# KiCad board vault35-katana-original.kicad_pcb
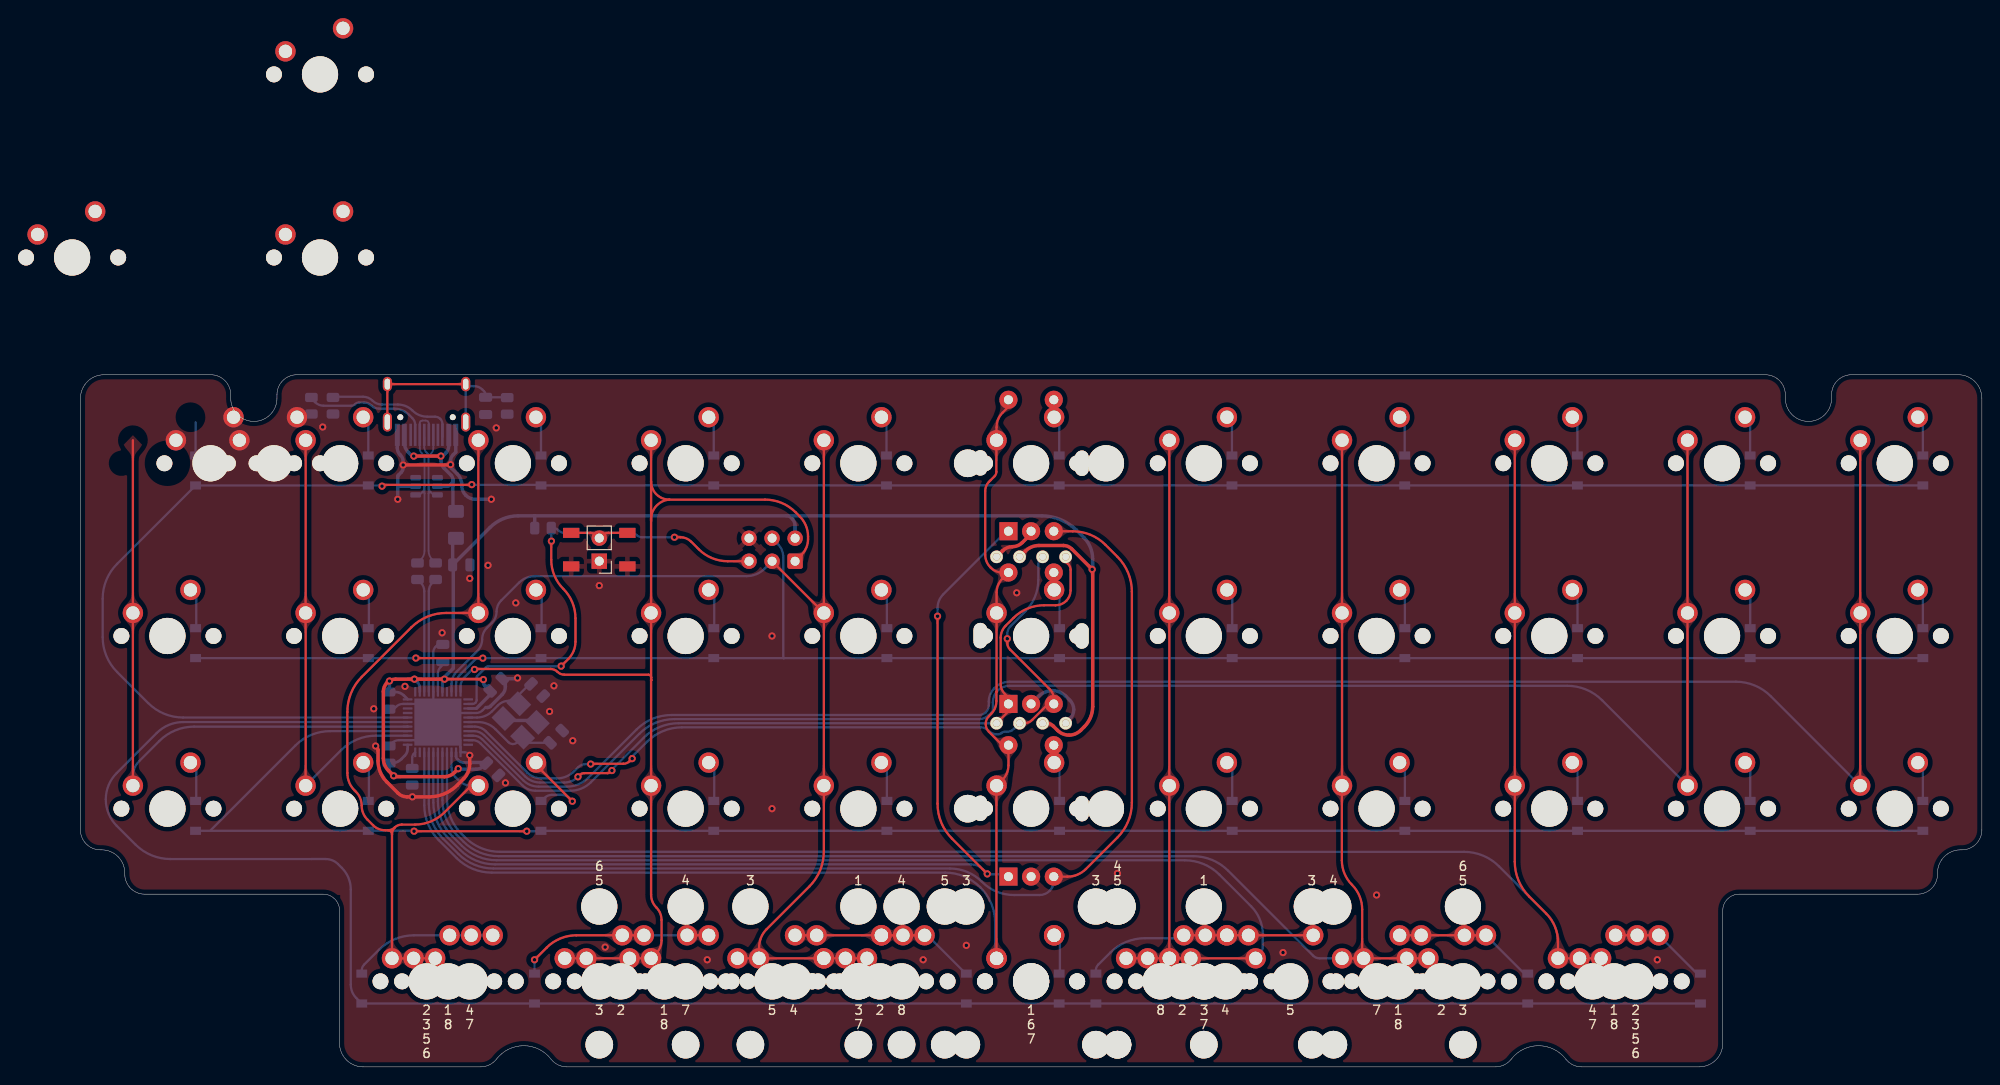
[diagram p0: board, top side]
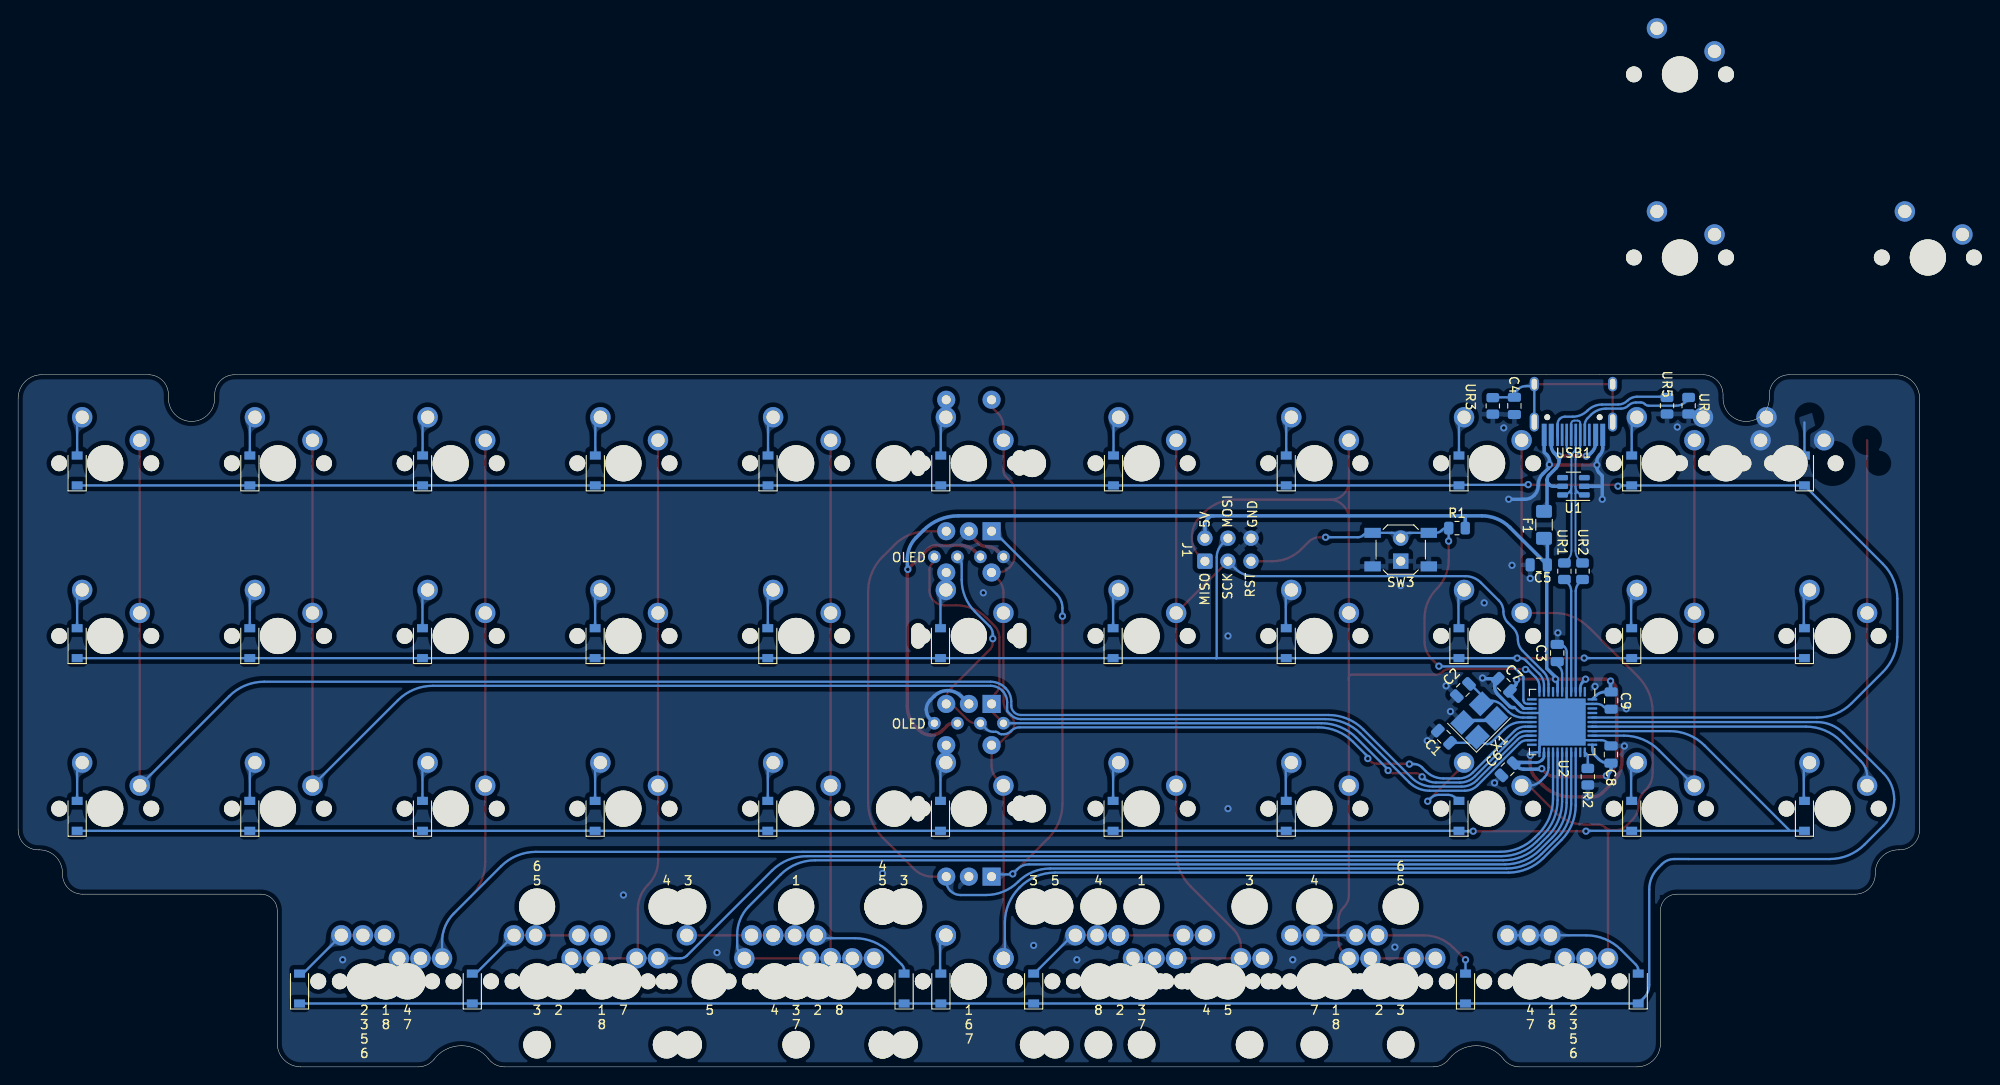
[diagram p1: board, bottom side, seen from below]

Outline 209.7 x 76.35 mm; copper layers: Top, Bottom. Coordinates in mm from the lower left corner of the outline.
Outline path: 0,73.75 0,26.14 arc(0.64,24.59) 2.2,23.94 2.34,23.94 arc(4.14,23.19) 4.89,21.39 4.89,21.25 arc(5.54,19.69) 7.09,19.05 26.78,19.05 arc(28.05,18.52) 28.57,17.25 28.57,2.6 arc(29.34,0.76) 31.18,0 44.14,0 arc(45.11,0.23) 45.88,0.86 arc(48.89,2.33) 51.9,0.86 arc(52.67,0.23) 53.64,0 156.06,0 arc(157.03,0.23) 157.8,0.86 arc(160.81,2.33) 163.82,0.86 arc(164.59,0.23) 165.56,0 178.53,0 arc(180.36,0.76) 181.12,2.6 181.12,17.25 arc(181.65,18.52) 182.92,19.05 202.61,19.05 arc(204.17,19.69) 204.81,21.25 204.81,21.39 arc(205.56,23.19) 207.36,23.94 207.5,23.94 arc(209.06,24.59) 209.7,26.14 209.7,73.75 arc(208.94,75.59) 207.1,76.35 195.33,76.35 arc(193.77,75.71) 193.13,74.15 193.13,73.75 arc(190.58,71.2) 188.03,73.75 188.03,74.15 arc(187.38,75.71) 185.83,76.35 23.87,76.35 arc(22.32,75.71) 21.68,74.15 21.68,73.75 arc(19.12,71.2) 16.57,73.75 16.57,74.15 arc(15.93,75.71) 14.37,76.35 2.6,76.35 arc(0.76,75.59) 0,73.75
Stack: Top 0.035mm / dielectric 1.51mm FR4 er 4.5 / Bottom 0.035mm

## Placement (name value [footprint] x y rotation side)
C1  22p  [C_0805_2012Metric]  52.46 36.42 45 bottom
C2  22p  [C_0805_2012Metric]  50.36 41.57 315 bottom
C3  1uf  [C_0805_2012Metric]  39.96 45.66 90 bottom
C4  4.7uF  [C_0805_2012Metric]  44.68 72.91 90 bottom
C5  10uF  [C_0805_2012Metric]  42 55.38 0 bottom
C6  0.1uf  [C_0805_2012Metric]  45.44 32.83 315 bottom
C7  0.1uf  [C_0805_2012Metric]  45.85 42.15 45 bottom
C8  0.1uf  [C_0805_2012Metric]  34.03 34.45 90 bottom
C9  0.1uf  [C_0805_2012Metric]  34.01 40.41 270 bottom
D_SPACE1  D  [D_SOD-123]  12.7 65.79 90 bottom
D_SPACE2  D  [D_SOD-123]  31.75 65.79 90 bottom
D_SPACE3  D  [D_SOD-123]  50.8 65.79 90 bottom
D_SPACE4  D  [D_SOD-123]  69.85 65.79 90 bottom
D_SPACE5  D  [D_SOD-123]  88.9 65.79 90 bottom
D_SPACE6  D  [D_SOD-123]  127 65.79 90 bottom
D_SPACE6#2  D  [D_SOD-123]  107.95 65.79 90 bottom
D_SPACE7  D  [D_SOD-123]  146.04 65.79 90 bottom
D_SPACE8  D  [D_SOD-123]  165.09 65.79 90 bottom
D_SPACE9  D  [D_SOD-123]  184.14 65.79 90 bottom
D_SPACE10  D  [D_SOD-123]  203.19 65.79 90 bottom
D_SPACE11  D  [D_SOD-123]  12.7 46.74 90 bottom
D_SPACE12  D  [D_SOD-123]  31.75 46.74 90 bottom
D_SPACE13  D  [D_SOD-123]  50.8 46.74 90 bottom
D_SPACE14  D  [D_SOD-123]  69.85 46.74 90 bottom
D_SPACE15  D  [D_SOD-123]  88.94 46.74 90 bottom
D_SPACE16  D  [D_SOD-123]  127.02 46.74 90 bottom
D_SPACE17  D  [D_SOD-123]  107.98 46.74 90 bottom
D_SPACE17#2  D  [D_SOD-123]  146.07 46.74 90 bottom
D_SPACE18  D  [D_SOD-123]  165.11 46.74 90 bottom
D_SPACE19  D  [D_SOD-123]  184.15 46.74 90 bottom
D_SPACE20  D  [D_SOD-123]  203.19 46.74 90 bottom
D_SPACE21  D  [D_SOD-123]  12.7 27.69 90 bottom
D_SPACE22  D  [D_SOD-123]  31.75 27.69 90 bottom
D_SPACE23  D  [D_SOD-123]  50.8 27.69 90 bottom
D_SPACE24  D  [D_SOD-123]  69.85 27.69 90 bottom
D_SPACE25  D  [D_SOD-123]  88.94 27.69 90 bottom
D_SPACE26  D  [D_SOD-123]  107.98 27.69 90 bottom
D_SPACE27  D  [D_SOD-123]  127.02 27.69 90 bottom
D_SPACE28  D  [D_SOD-123]  146.07 27.69 90 bottom
D_SPACE29  D  [D_SOD-123]  165.11 27.69 90 bottom
D_SPACE30  D  [D_SOD-123]  184.15 27.69 90 bottom
D_SPACE31  D  [D_SOD-123]  203.19 27.69 90 bottom
D_SPACE32  D  [D_SOD-123]  31.03 8.64 90 bottom
D_SPACE33  D  [D_SOD-123]  50.08 8.64 90 bottom
D_SPACE34  D  [D_SOD-123]  97.7 8.64 90 bottom
D_SPACE35  D  [D_SOD-123]  107.94 8.64 90 bottom
D_SPACE36  D  [D_SOD-123]  111.99 8.64 90 bottom
D_SPACE37  D  [D_SOD-123]  159.61 8.64 90 bottom
D_SPACE38  D  [D_SOD-123]  178.66 8.64 90 bottom
F1  Polyfuse_Small  [Fuse_1206_3216Metric_Pad1.42x1.75mm_HandSolder]  41.42 59.79 270 bottom
J1  AVR-ISP-6  [IDC-Header_2x03_P2.54mm_Vertical]  78.82 55.78 90 bottom
K_SPACE1  KEYSW  [MXOnly-1.5U-NoLED]  14.34 66.58 0 top
K_SPACE2  KEYSW  [MXOnly-1U-NoLED]  21.34 66.58 0 top
K_SPACE3  KEYSW  [MXOnly-1U-NoLED]  28.65 66.58 0 top
K_SPACE4  KEYSW  [MXOnly-1U-NoLED]  47.7 66.58 0 top
K_SPACE5  KEYSW  [MXOnly-1U-NoLED]  66.75 66.58 0 top
K_SPACE6  KEYSW  [MXOnly-1U-NoLED]  104.85 66.58 0 top
K_SPACE6#2  KEYSW  [MXOnly-1U-NoLED]  85.8 66.58 0 top
K_SPACE7  KEYSW  [MXOnly-1U-NoLED]  123.9 66.58 0 top
K_SPACE8  KEYSW  [MXOnly-1U-NoLED]  142.95 66.58 0 top
K_SPACE9  KEYSW  [MXOnly-1U-NoLED]  162 66.58 0 top
K_SPACE10  KEYSW  [MXOnly-1U-NoLED]  181.05 66.58 0 top
K_SPACE11  KEYSW  [MXOnly-1U-NoLED]  200.1 66.58 0 top
K_SPACE12  KEYSW  [MXOnly-1.5U-NoLED]  -0.92 89.28 0 top
K_SPACE13  KEYSW  [MXOnly-1.25U-NoLED]  26.42 109.48 0 top
K_SPACE14  KEYSW  [MXOnly-1U-NoLED]  9.6 47.53 0 top
K_SPACE15  KEYSW  [MXOnly-1U-NoLED]  28.65 47.53 0 top
K_SPACE16  KEYSW  [MXOnly-1U-NoLED]  47.7 47.53 0 top
K_SPACE17  KEYSW  [MXOnly-1U-NoLED]  104.85 47.53 0 top
K_SPACE17#2  KEYSW  [MXOnly-1U-NoLED]  66.75 47.53 0 top
K_SPACE18  KEYSW  [MXOnly-1U-NoLED]  85.8 47.53 0 top
K_SPACE19  KEYSW  [MXOnly-1U-NoLED]  123.9 47.53 0 top
K_SPACE20  KEYSW  [MXOnly-1U-NoLED]  142.95 47.53 0 top
K_SPACE21  KEYSW  [MXOnly-1U-NoLED]  162 47.53 0 top
K_SPACE22  KEYSW  [MXOnly-1U-NoLED]  181.05 47.53 0 top
K_SPACE23  KEYSW  [MXOnly-1U-NoLED]  200.1 47.53 0 top
K_SPACE24  KEYSW  [MXOnly-1.25U-NoLED]  26.42 89.28 0 top
K_SPACE25  KEYSW  [MXOnly-1U-NoLED]  9.6 28.48 0 top
K_SPACE26  KEYSW  [MXOnly-1U-NoLED]  28.65 28.48 0 top
K_SPACE27  KEYSW  [MXOnly-1U-NoLED]  47.7 28.48 0 top
K_SPACE28  KEYSW  [MXOnly-1U-NoLED]  66.75 28.48 0 top
K_SPACE29  KEYSW  [MXOnly-1U-NoLED]  85.8 28.48 0 top
K_SPACE30  KEYSW  [MXOnly-1U-NoLED]  104.85 28.48 0 top
K_SPACE31  KEYSW  [MXOnly-1U-NoLED]  123.9 28.48 0 top
K_SPACE32  KEYSW  [MXOnly-1U-NoLED]  142.95 28.48 0 top
K_SPACE33  KEYSW  [MXOnly-1U-NoLED]  162 28.48 0 top
K_SPACE34  KEYSW  [MXOnly-1U-NoLED]  181.05 28.48 0 top
K_SPACE35  KEYSW  [MXOnly-1U-NoLED]  200.1 28.48 0 top
K_SPACE36  KEYSW  [MXOnly-1.5U-NoLED]  90.56 9.43 0 top
K_SPACE37  KEYSW  [MXOnly-1.5U-NoLED]  119.13 9.43 0 top
K_SPACE38  KEYSW  [MXOnly-1.25U-NoLED]  40.55 9.43 0 top
K_SPACE39  KEYSW  [MXOnly-1.25U-NoLED]  64.36 9.43 0 top
K_SPACE40  KEYSW  [MXOnly-3U-ReversedStabilizers-NoLED]  76.27 9.43 0 top
K_SPACE41  KEYSW  [MXOnly-3U-ReversedStabilizers-NoLED]  133.42 9.43 0 top
K_SPACE42  KEYSW  [MXOnly-1.25U-NoLED]  145.33 9.43 0 top
K_SPACE43  KEYSW  [MXOnly-1.25U-NoLED]  169.14 9.43 0 top
K_SPACE44  KEYSW  [MXOnly-1.25U-NoLED]  59.6 9.43 0 top
K_SPACE45  KEYSW  [MXOnly-1.75U-NoLED]  88.18 9.43 0 top
K_SPACE46  KEYSW  [MXOnly-1.75U-NoLED]  121.51 9.43 0 top
K_SPACE47  KEYSW  [MXOnly-1.25U-NoLED]  150.09 9.43 0 top
K_SPACE48  KEYSW  [MXOnly-2.25U-ReversedStabilizers-NoLED]  78.65 9.43 0 top
K_SPACE49  KEYSW  [MXOnly-2.75U-ReversedStabilizers-NoLED]  126.28 9.43 0 top
K_SPACE50  KEYSW  [MXOnly-1U-NoLED]  38.17 9.43 0 top
K_SPACE51  KEYSW  [MXOnly-1U-NoLED]  57.22 9.43 0 top
K_SPACE52  KEYSW  [MXOnly-2U-ReversedStabilizers-NoLED]  85.8 9.43 0 top
K_SPACE53  KEYSW  [MXOnly-2U-ReversedStabilizers-NoLED]  123.9 9.43 0 top
K_SPACE54  KEYSW  [MXOnly-1U-NoLED]  152.47 9.43 0 top
K_SPACE55  KEYSW  [MXOnly-1U-NoLED]  171.52 9.43 0 top
K_SPACE56  KEYSW  [MXOnly-3U-ReversedStabilizers-NoLED]  104.85 9.43 0 top
K_SPACE57  KEYSW  [MXOnly-1.5U-NoLED]  42.93 9.43 0 top
K_SPACE58  KEYSW  [MXOnly-1U-NoLED]  66.75 9.43 0 top
K_SPACE59  KEYSW  [MXOnly-1U-NoLED]  85.8 9.43 0 top
K_SPACE60  KEYSW  [MXOnly-1U-NoLED]  104.85 9.43 0 top
K_SPACE61  KEYSW  [MXOnly-1U-NoLED]  123.9 9.43 0 top
K_SPACE62  KEYSW  [MXOnly-1U-NoLED]  142.95 9.43 0 top
K_SPACE63  KEYSW  [MXOnly-1.5U-NoLED]  166.76 9.43 0 top
OL1  OLED  [OLED_v2]  104.85 37.91 0 top
OL2  OLED  [OLED_v2]  104.85 56.26 180 top
R1  10k  [R_0805_2012Metric]  51.01 59.43 180 bottom
R2  10k  [R_0805_2012Metric]  36.59 32.01 90 bottom
REF**  3U  [MXOnly-3U-NoSwitch]  104.85 47.53 90 top
SW1  SW_PUSH  [SW_SPST_SKQG_WithoutStem]  57.22 57.06 180 top
SW2  SW_PUSH  [PinHeader_1x02_P2.54mm_Vertical]  57.22 55.79 180 top
SW2#2  RotaryEncoder_Switch  [RotaryEncoder_Alps_EC11E-Switch_Vertical_H20mm]  102.35 59.09 90 top
SW3  RotaryEncoder_Switch  [RotaryEncoder_Alps_EC11E-Switch_Vertical_H20mm]  102.35 40.04 90 top
SW3#2  SW_PUSH  [SW_SPST_SKQG_WithoutStem]  57.22 57.06 0 bottom
SW4  RotaryEncoder_Switch  [RotaryEncoder_Alps_EC11E-Switch_Vertical_H20mm]  102.35 20.99 90 top
U1  SRV05-4  [SOT-23-6]  38.17 64.04 0 bottom
U2  ATmega32U4-M  [QFN-44-1EP_7x7mm_P0.5mm_EP5.2x5.2mm]  39.42 38.04 270 bottom
UR1  22  [R_0805_2012Metric]  39.17 54.68 270 bottom
UR2  22  [R_0805_2012Metric]  37.17 54.68 270 bottom
UR3  1M  [R_0805_2012Metric]  47.07 72.91 270 bottom
UR4  5.1k  [R_0805_2012Metric]  25.47 72.93 270 bottom
UR5  5.1k  [R_0805_2012Metric]  27.85 72.93 270 bottom
USB1  HRO-TYPE-C-31-M-12  [HRO-TYPE-C-31-M-12-HandSoldering]  38.17 77.91 0 bottom
X1  Crystal_GND24_Small  [Crystal_SMD_3225-4Pin_3.2x2.5mm_HandSoldering]  48.55 38.22 135 bottom

## Library data of the parts
C1 C2 = -: Description: Unpolarized capacitor, small symbol
D_SPACE1-D_SPACE16 D_SPACE17#2 D_SPACE18-D_SPACE38 = -: Description: Diode
J1 = -: Description: Atmel 6-pin ISP connector
SW4 = -: Description: Rotary encoder, dual channel, incremental quadrate outputs, with switch
U1 = -: Description: ESD Protection Diodes with Low Clamping Voltage, SOT-23-6
U2 = -: Description: 16MHz, 32kB Flash, 2.5kB SRAM, 1kB EEPROM, USB 2.0, QFN-44
X1 = -: Description: Four pin crystal, GND on pins 2 and 4, small symbol

## Footprints (pads in the part's own frame, mm; a bottom-side part is the same pattern mirrored in y, then rotated)
C_0805_2012Metric
  rrect 1x1.45 smd: 1(-0.95,0) 2(0.95,0)
Crystal_SMD_3225-4Pin_3.2x2.5mm_HandSoldering
  rect 2.1x1.8 smd: 1(-1.45,-1.15) 2(1.45,-1.15) 3(1.45,1.15) 4(-1.45,1.15)
D_SOD-123
  rect 0.9x1.2 smd: 1(-1.65,0) 2(1.65,0)
Fuse_1206_3216Metric_Pad1.42x1.75mm_HandSolder
  rrect 1.425x1.75 smd: 1(-1.488,0) 2(1.488,0)
HRO-TYPE-C-31-M-12-HandSoldering
  round 0.65 hole 0.65 unplated: (-2.89,6.25) (2.89,6.25)
  rect 0.55x2.45 smd: 1(-3.225,8.195) 2(-2.45,8.195) 11(2.45,8.195) 12(3.225,8.195)
  rect 0.3x2.45 smd: 3(-1.75,8.195) 4(-1.25,8.195) 5(-0.75,8.195) 6(-0.25,8.195) 7(0.25,8.195) 8(0.75,8.195) 9(1.25,8.195) 10(1.75,8.195)
  oval 1x1.6 hole 0.6x1.2: 13(-4.32,2.6) 13(4.32,2.6)
  oval 1x2.1 hole 0.6x1.7: 13(-4.32,6.78) 13(4.32,6.78)
IDC-Header_2x03_P2.54mm_Vertical
  rrect 1.7x1.7 hole 1: 1(0,0)
  round 1.7 hole 1: 2(2.54,0) 3(0,-2.54) 4(2.54,-2.54) 5(0,-5.08) 6(2.54,-5.08)
MXOnly-1.5U-NoLED
  round 1.75 hole 1.75 unplated: (-5.08,0) (5.08,0)
  round 3.988 hole 3.988 unplated: (0,0)
  round 2.25 hole 1.47: 1(-3.81,2.54) 2(2.54,5.08)
MXOnly-1.25U-NoLED
  round 1.75 hole 1.75 unplated: (-5.08,0) (5.08,0)
  round 3.988 hole 3.988 unplated: (0,0)
  round 2.25 hole 1.47: 1(-3.81,2.54) 2(2.54,5.08)
MXOnly-1.75U-NoLED
  round 1.75 hole 1.75 unplated: (-5.08,0) (5.08,0)
  round 3.988 hole 3.988 unplated: (0,0)
  round 2.25 hole 1.47: 1(-3.81,2.54) 2(2.54,5.08)
MXOnly-1U-NoLED
  round 1.75 hole 1.75 unplated: (-5.08,0) (5.08,0)
  round 3.988 hole 3.988 unplated: (0,0)
  round 2.25 hole 1.47: 1(-3.81,2.54) 2(2.54,5.08)
MXOnly-2.25U-ReversedStabilizers-NoLED
  round 3.988 hole 3.988 unplated: (-11.906,8.255) (0,0) (11.906,8.255)
  round 3.048 hole 3.048 unplated: (-11.906,-6.985) (11.906,-6.985)
  round 1.75 hole 1.75 unplated: (-5.08,0) (5.08,0)
  round 2.25 hole 1.47: 1(-3.81,2.54) 2(2.54,5.08)
MXOnly-2.75U-ReversedStabilizers-NoLED
  round 3.988 hole 3.988 unplated: (-11.906,8.255) (0,0) (11.906,8.255)
  round 3.048 hole 3.048 unplated: (-11.906,-6.985) (11.906,-6.985)
  round 1.75 hole 1.75 unplated: (-5.08,0) (5.08,0)
  round 2.25 hole 1.47: 1(-3.81,2.54) 2(2.54,5.08)
MXOnly-2U-ReversedStabilizers-NoLED
  round 3.988 hole 3.988 unplated: (-11.906,8.255) (0,0) (11.906,8.255)
  round 3.048 hole 3.048 unplated: (-11.906,-6.985) (11.906,-6.985)
  round 1.75 hole 1.75 unplated: (-5.08,0) (5.08,0)
  round 2.25 hole 1.47: 1(-3.81,2.54) 2(2.54,5.08)
MXOnly-3U-NoSwitch
  round 3.048 hole 3.048 unplated: (-19.05,6.985) (19.05,6.985)
  round 3.988 hole 3.988 unplated: (-19.05,-8.255) (19.05,-8.255)
MXOnly-3U-ReversedStabilizers-NoLED
  round 3.988 hole 3.988 unplated: (-19.05,8.255) (0,0) (19.05,8.255)
  round 3.048 hole 3.048 unplated: (-19.05,-6.985) (19.05,-6.985)
  round 1.75 hole 1.75 unplated: (-5.08,0) (5.08,0)
  round 2.25 hole 1.47: 1(-3.81,2.54) 2(2.54,5.08)
OLED_v2
  round 1.397 hole 0.813: 1(-3.81,0) 2(-1.27,0) 3(1.27,0) 4(3.81,0)
PinHeader_1x02_P2.54mm_Vertical
  rect 1.7x1.7 hole 1: 1(0,0)
  oval 1.7x1.7 hole 1: 2(0,-2.54)
QFN-44-1EP_7x7mm_P0.5mm_EP5.2x5.2mm
  rrect 1.05x1.05 smd: (-1.95,-1.95) (-1.95,-0.65) (-1.95,0.65) (-1.95,1.95) (-0.65,-1.95) (-0.65,-0.65) (-0.65,0.65) (-0.65,1.95) (0.65,-1.95) (0.65,-0.65) (0.65,0.65) (0.65,1.95) (1.95,-1.95) (1.95,-0.65) (1.95,0.65) (1.95,1.95)
  rrect 1.075x0.25 smd: 1(-3.337,2.5) 2(-3.337,2) 3(-3.337,1.5) 4(-3.337,1) 5(-3.337,0.5) 6(-3.337,0) 7(-3.337,-0.5) 8(-3.337,-1) 9(-3.337,-1.5) 10(-3.337,-2) 11(-3.337,-2.5) 23(3.337,-2.5) 24(3.337,-2) 25(3.337,-1.5) 26(3.337,-1) 27(3.337,-0.5) 28(3.337,0) 29(3.337,0.5) 30(3.337,1) 31(3.337,1.5) 32(3.337,2) 33(3.337,2.5)
  rrect 0.25x1.075 smd: 12(-2.5,-3.337) 13(-2,-3.337) 14(-1.5,-3.337) 15(-1,-3.337) 16(-0.5,-3.337) 17(0,-3.337) 18(0.5,-3.337) 19(1,-3.337) 20(1.5,-3.337) 21(2,-3.337) 22(2.5,-3.337) 34(2.5,3.337) 35(2,3.337) 36(1.5,3.337) 37(1,3.337) 38(0.5,3.337) 39(0,3.337) 40(-0.5,3.337) 41(-1,3.337) 42(-1.5,3.337) 43(-2,3.337) 44(-2.5,3.337)
  rect 5.2x5.2 smd: 45(0,0)
R_0805_2012Metric
  rrect 1.025x1.4 smd: 1(-0.912,0) 2(0.912,0)
RotaryEncoder_Alps_EC11E-Switch_Vertical_H20mm
  oval 2.8x1.5 hole 2.8x1.5 unplated: (7.5,-8.1) (7.537,3.1)
  rect 2x2 hole 1: A(0,0)
  round 2 hole 1: B(0,-5) C(0,-2.5) S1(14.5,-5) S2(14.5,0)
SOT-23-6
  rrect 1.2x0.6 smd: 1(-1.2,0.95) 2(-1.2,0) 3(-1.2,-0.95) 4(1.2,-0.95) 5(1.2,0) 6(1.2,0.95)
SW_SPST_SKQG_WithoutStem
  rect 1.8x1.1 smd: 1(-3.1,1.85) 1(3.1,1.85) 2(-3.1,-1.85) 2(3.1,-1.85)

## Nets
+5V: C5.1 C6.1 C7.1 C8.1 C9.1 F1.2 J1.2 OL1.3 OL2.3 R1.2 U2.2 U2.7 U2.14 U2.24 U2.34 U2.44
GND: C1.2 C2.2 C3.2 C4.1 C5.2 C6.2 C7.2 C8.2 C9.2 J1.6 OL1.4 OL2.4 R2.1 SW1.1 SW2.1 SW2#2.C SW3.C SW3#2.1 SW4.C U1.2 U2.5 U2.15 U2.23 U2.35 U2.43 U2.45 UR3.2 UR4.2 UR5.2 USB1.1 USB1.12 X1.2 X1.4
VCC: F1.1 U1.5 USB1.2 USB1.11
col0: K_SPACE1.1 K_SPACE2.1 K_SPACE13.1 K_SPACE14.1 K_SPACE25.1 U2.38
col1: K_SPACE3.1 K_SPACE15.1 K_SPACE26.1 U2.36
col2: K_SPACE4.1 K_SPACE16.1 K_SPACE27.1 K_SPACE38.1 K_SPACE50.1 K_SPACE57.1 U2.25
col3: J1.1 K_SPACE5.1 K_SPACE17#2.1 K_SPACE28.1 K_SPACE39.1 K_SPACE44.1 K_SPACE51.1 K_SPACE58.1 U2.11
col4: J1.3 K_SPACE6#2.1 K_SPACE18.1 K_SPACE29.1 K_SPACE36.1 K_SPACE40.1 K_SPACE45.1 K_SPACE48.1 K_SPACE52.1 K_SPACE59.1 U2.9
col5: K_SPACE6.1 K_SPACE17.1 K_SPACE30.1 K_SPACE56.1 K_SPACE60.1 SW2#2.S2 SW3.S2 SW4.S2 U2.31
col6: K_SPACE7.1 K_SPACE19.1 K_SPACE31.1 K_SPACE37.1 K_SPACE41.1 K_SPACE46.1 K_SPACE49.1 K_SPACE53.1 K_SPACE61.1 U2.28
col7: K_SPACE8.1 K_SPACE20.1 K_SPACE32.1 K_SPACE42.1 K_SPACE47.1 K_SPACE54.1 K_SPACE62.1 U2.27
col8: K_SPACE9.1 K_SPACE21.1 K_SPACE33.1 K_SPACE43.1 K_SPACE55.1 K_SPACE63.1 U2.26
col9: K_SPACE10.1 K_SPACE22.1 K_SPACE34.1 U2.21
col10: K_SPACE11.1 K_SPACE12.1 K_SPACE23.1 K_SPACE24.1 K_SPACE35.1 U2.20
D+: U1.6 UR1.1 USB1.6 USB1.8
D-: U1.1 UR2.1 USB1.5 USB1.7
encA: SW2#2.A SW4.A U2.29
encB: SW2#2.B SW4.B U2.30
row0: D_SPACE1.1 D_SPACE2.1 D_SPACE3.1 D_SPACE4.1 D_SPACE5.1 D_SPACE6.1 D_SPACE6#2.1 D_SPACE7.1 D_SPACE8.1 D_SPACE9.1 D_SPACE10.1 U2.40
row1: D_SPACE11.1 D_SPACE12.1 D_SPACE13.1 D_SPACE14.1 D_SPACE15.1 D_SPACE16.1 D_SPACE17.1 D_SPACE17#2.1 D_SPACE18.1 D_SPACE19.1 D_SPACE20.1 J1.4 U2.10
row2: D_SPACE21.1 D_SPACE22.1 D_SPACE23.1 D_SPACE24.1 D_SPACE25.1 D_SPACE26.1 D_SPACE27.1 D_SPACE28.1 D_SPACE29.1 D_SPACE30.1 D_SPACE31.1 U2.37
row3: D_SPACE32.1 D_SPACE33.1 D_SPACE34.1 D_SPACE35.1 D_SPACE36.1 D_SPACE37.1 D_SPACE38.1 U2.39
RST: J1.5 R1.1 SW1.2 SW2.2 SW3#2.2 U2.13
SCL: OL1.2 OL2.2 SW3.B U2.18
SDA: OL1.1 OL2.1 SW3.A U2.19
Net-(D_SPACE1-A): D_SPACE1.2 K_SPACE1.2 K_SPACE2.2
Net-(D_SPACE2-A): D_SPACE2.2 K_SPACE3.2
Net-(D_SPACE3-A): D_SPACE3.2 K_SPACE4.2
Net-(D_SPACE4-A): D_SPACE4.2 K_SPACE5.2
Net-(D_SPACE5-A): D_SPACE5.2 K_SPACE6#2.2
Net-(D_SPACE6-A): D_SPACE6.2 K_SPACE7.2
Net-(D_SPACE6-Pad2): D_SPACE6#2.2 K_SPACE6.2 SW2#2.S1
Net-(D_SPACE7-A): D_SPACE7.2 K_SPACE8.2
Net-(D_SPACE8-A): D_SPACE8.2 K_SPACE9.2
Net-(D_SPACE9-A): D_SPACE9.2 K_SPACE10.2
Net-(D_SPACE10-A): D_SPACE10.2 K_SPACE11.2 K_SPACE12.2
Net-(D_SPACE11-A): D_SPACE11.2 K_SPACE13.2 K_SPACE14.2
Net-(D_SPACE12-A): D_SPACE12.2 K_SPACE15.2
Net-(D_SPACE13-A): D_SPACE13.2 K_SPACE16.2
Net-(D_SPACE14-A): D_SPACE14.2 K_SPACE17#2.2
Net-(D_SPACE15-A): D_SPACE15.2 K_SPACE18.2
Net-(D_SPACE16-A): D_SPACE16.2 K_SPACE19.2
Net-(D_SPACE17-A): D_SPACE17#2.2 K_SPACE20.2
Net-(D_SPACE17-Pad2): D_SPACE17.2 K_SPACE17.2 SW3.S1
Net-(D_SPACE18-A): D_SPACE18.2 K_SPACE21.2
Net-(D_SPACE19-A): D_SPACE19.2 K_SPACE22.2
Net-(D_SPACE20-A): D_SPACE20.2 K_SPACE23.2 K_SPACE24.2
Net-(D_SPACE21-A): D_SPACE21.2 K_SPACE25.2
Net-(D_SPACE22-A): D_SPACE22.2 K_SPACE26.2
Net-(D_SPACE23-A): D_SPACE23.2 K_SPACE27.2
Net-(D_SPACE24-A): D_SPACE24.2 K_SPACE28.2
Net-(D_SPACE25-A): D_SPACE25.2 K_SPACE29.2
Net-(D_SPACE26-A): D_SPACE26.2 K_SPACE30.2 SW4.S1
Net-(D_SPACE27-A): D_SPACE27.2 K_SPACE31.2
Net-(D_SPACE28-A): D_SPACE28.2 K_SPACE32.2
Net-(D_SPACE29-A): D_SPACE29.2 K_SPACE33.2
Net-(D_SPACE30-A): D_SPACE30.2 K_SPACE34.2
Net-(D_SPACE31-A): D_SPACE31.2 K_SPACE35.2
Net-(D_SPACE32-A): D_SPACE32.2 K_SPACE38.2 K_SPACE50.2 K_SPACE57.2
Net-(D_SPACE33-A): D_SPACE33.2 K_SPACE39.2 K_SPACE44.2 K_SPACE51.2 K_SPACE58.2
Net-(D_SPACE34-A): D_SPACE34.2 K_SPACE36.2 K_SPACE40.2 K_SPACE45.2 K_SPACE48.2 K_SPACE52.2 K_SPACE59.2
Net-(D_SPACE35-A): D_SPACE35.2 K_SPACE56.2 K_SPACE60.2
Net-(D_SPACE36-A): D_SPACE36.2 K_SPACE37.2 K_SPACE41.2 K_SPACE46.2 K_SPACE49.2 K_SPACE53.2 K_SPACE61.2
Net-(D_SPACE37-A): D_SPACE37.2 K_SPACE42.2 K_SPACE47.2 K_SPACE54.2 K_SPACE62.2
Net-(D_SPACE38-A): D_SPACE38.2 K_SPACE43.2 K_SPACE55.2 K_SPACE63.2
Net-(U2-D+): U2.4 UR1.2
Net-(U2-D-): U2.3 UR2.2
Net-(U2-UCAP): C3.1 U2.6
Net-(U2-XTAL1): C1.1 U2.17 X1.1
Net-(U2-XTAL2): C2.1 U2.16 X1.3
Net-(U2-~{HWB}/PE2): R2.2 U2.33
Net-(USB1-CC1): UR4.1 USB1.4
Net-(USB1-CC2): UR5.1 USB1.10
Net-(USB1-SHIELD): C4.2 UR3.1 USB1.13

Pads without a net: U1 3 4; U2 1 8 12 22 32 41 42; USB1 3 9

## Via types
v1: diameter 0.8, hole 0.4, Top to Bottom, 60 vias
